# Altium PCB Copy of EXP_V111.PcbDoc (part 3 of 3)
Units mm, origin at the board's own origin, x right, y up, seen from the top; angles counter-clockwise.
Board outline 86 x 86 mm, 4 copper layers (Top Layer, Mid-Layer 1, Mid-Layer 2, Bottom Layer), stack 1.584 mm thick; 340 components, 283 nets, 1185 pads, 448 vias.
Unrouted connection lines stored in the file: 498.
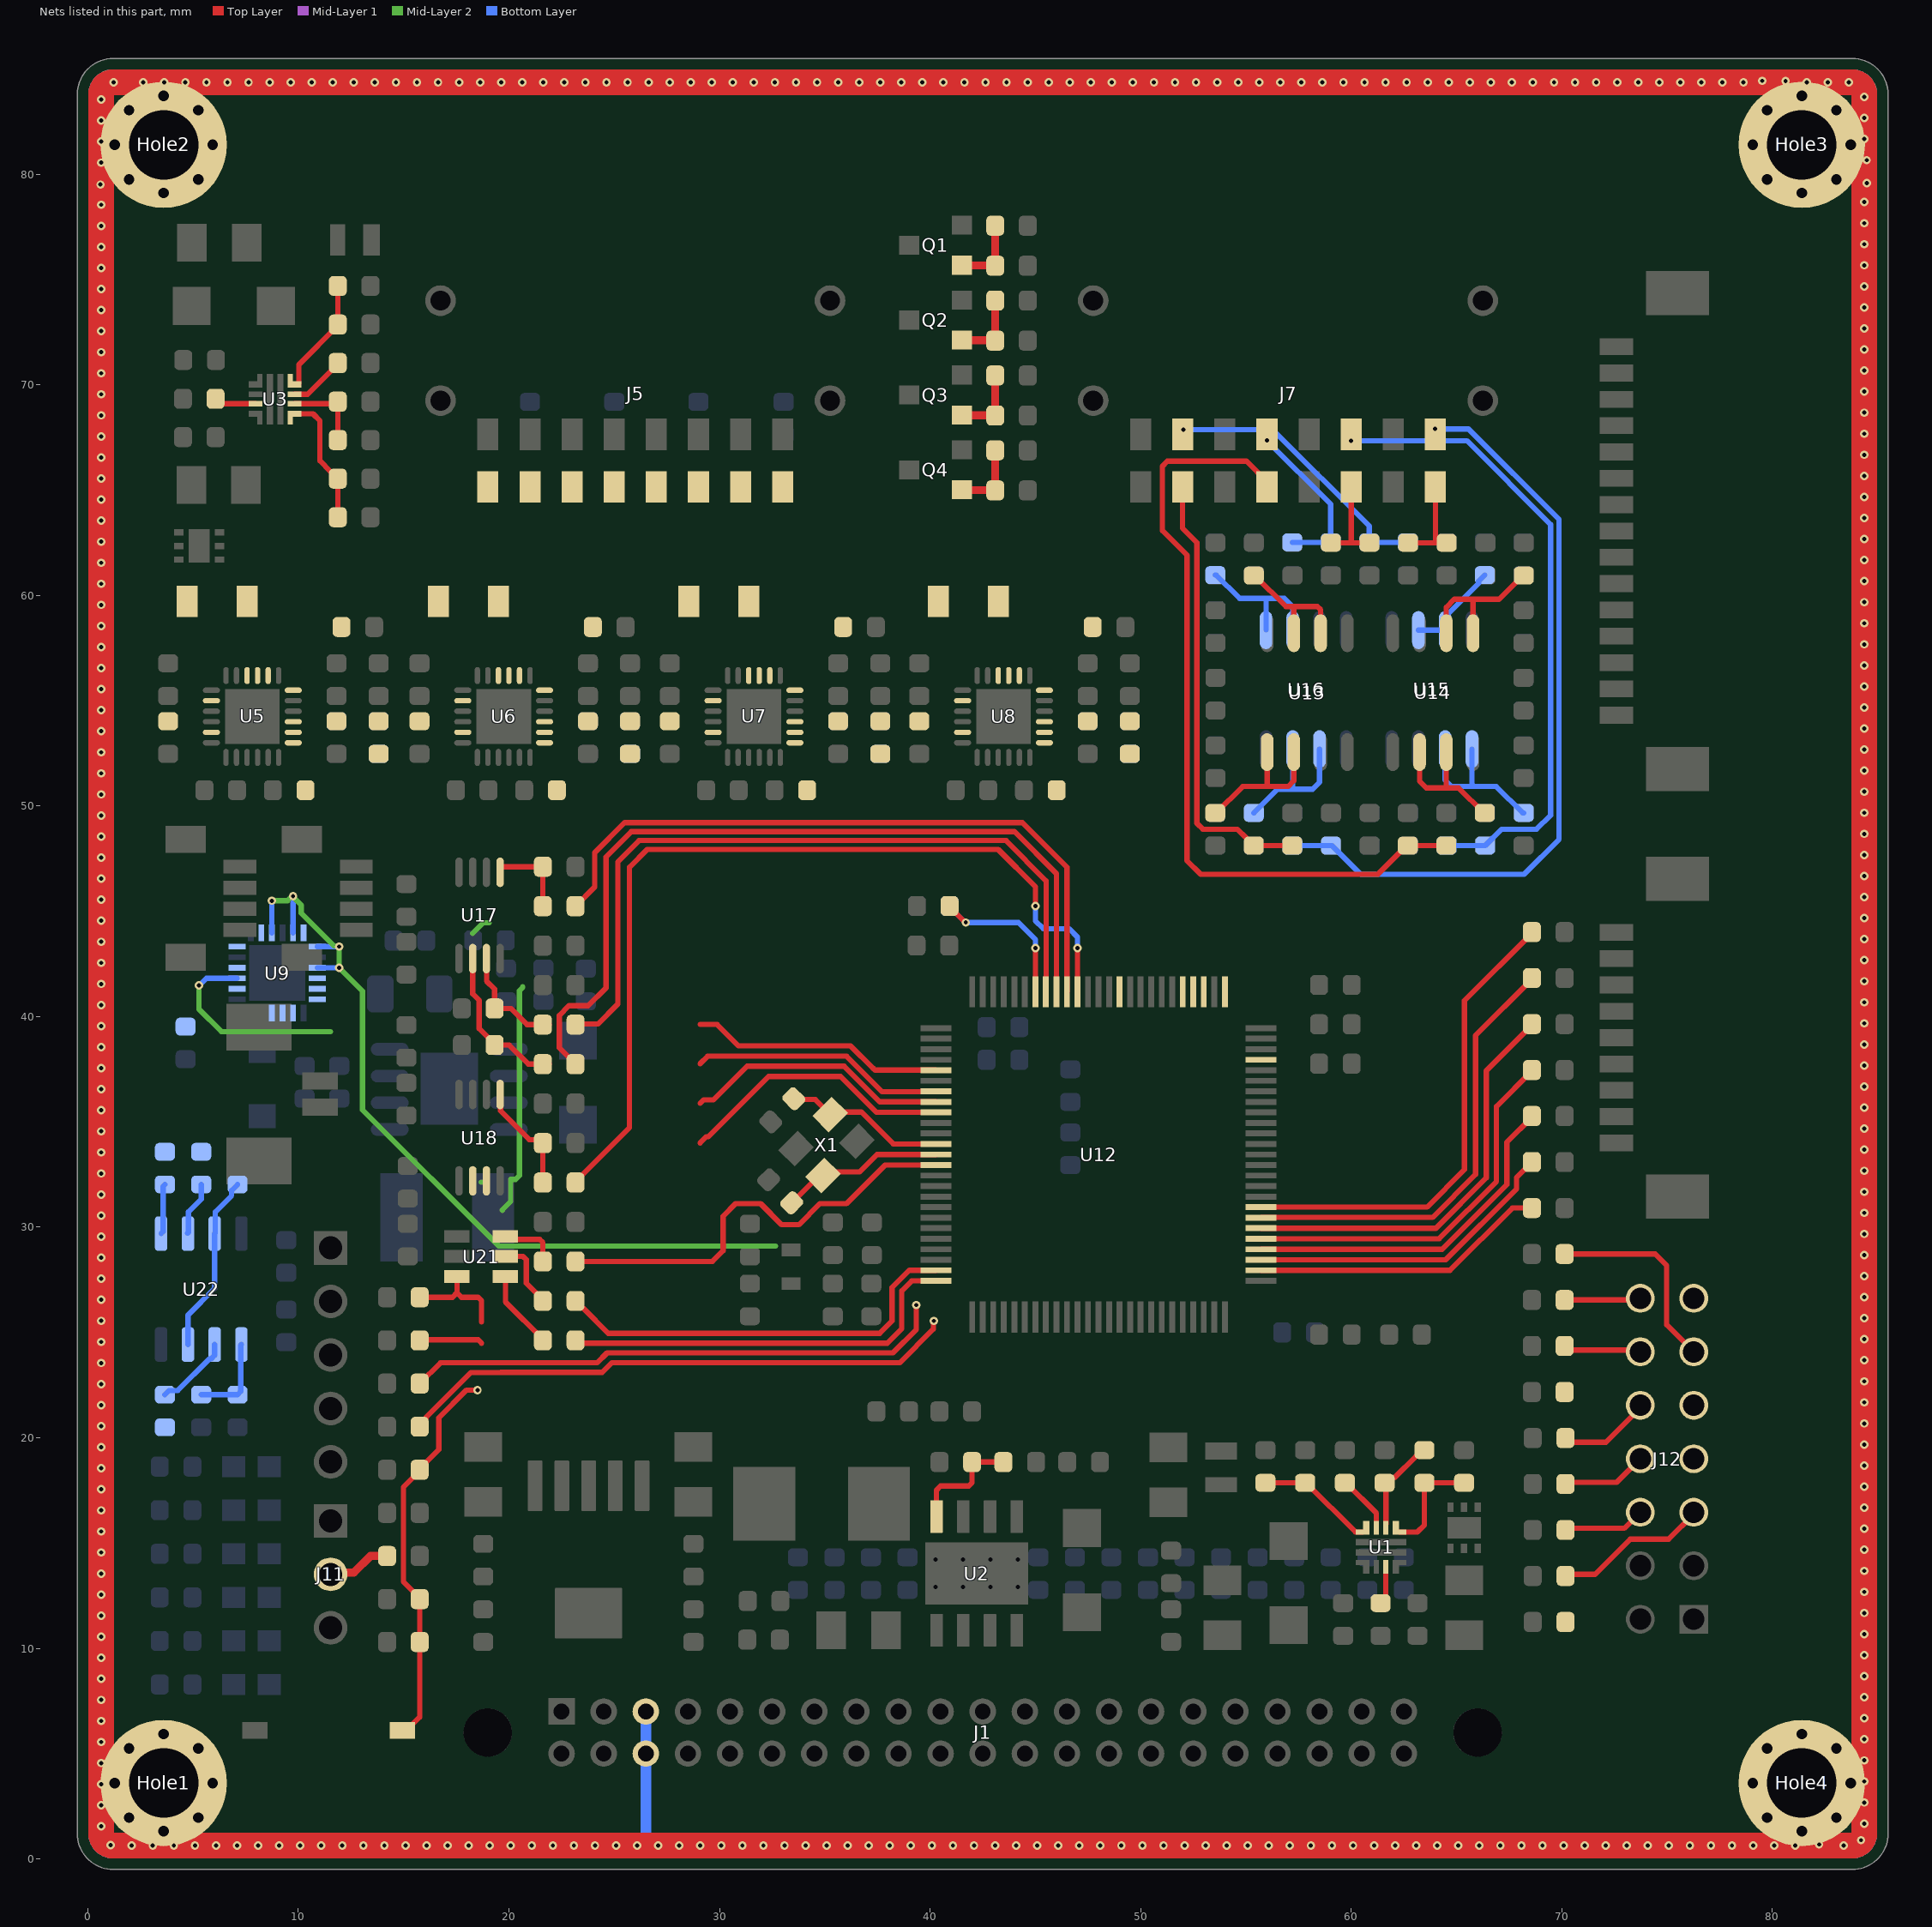
[diagram p5: the nets of this part, all layers, seen from the top]

## Via types
v1: diameter 0.4, hole 0.2, Top Layer to Bottom Layer, tented both sides, 448 vias

## Nets (pads, with @x,y where several pads share a name; then routed paths per layer and width w, separated by ;. In a path a pad name is that pad's centre, name@x,y a point inside that pad or via, vN(x,y) a via of type N, cw(c..) or ccw(c..) an arc to the next point about the centre after c; other vN are vias at no path point) (continued)
NetJ11_2: J11.2 R114.2 | length 3
  Top Layer w0.381: J11.2@11.532,13.513 11.609,13.59 12.632,13.59 13.424,14.383 R114.2@14.211,14.383
NetJ12_05: J12.05 R8.2 | length 7.4
  Top Layer w0.254: R8.2@70.175,13.513 71.583,13.513 73.252,15.182 75.077,15.182 76.27,16.375 J12.05@76.27,16.46
NetJ12_06: J12.06 R120.1 | length 3.9
  Top Layer w0.254: R120.1@70.175,15.697 72.967,15.697 J12.06@73.73,16.46
NetJ12_07: J12.07 R121.2
NetJ12_08: J12.08 R122.1 | length 4
  Top Layer w0.254: R122.1@70.175,17.882 72.612,17.882 J12.08@73.73,19
NetJ12_09: J12.09 R123.2
NetJ12_10: J12.10 R124.1 | length 4.5
  Top Layer w0.254: R124.1@70.175,20.066 70.46,19.781 72.099,19.781 73.73,21.412 J12.10@73.73,21.54
NetJ12_11: J12.11 R125.2 | length 9.7
  Top Layer w0.254: R125.2@70.135,28.724 74.439,28.724 74.984,28.179 74.984,25.366 J12.11@76.27,24.08
NetJ12_12: J12.12 R126.1 | length 3.7
  Top Layer w0.254: R126.1@70.135,24.356 70.323,24.167 73.643,24.167 J12.12@73.73,24.08
NetJ12_14: J12.14 R127.1 | length 3.6
  Top Layer w0.254: R127.1@70.142,26.548 73.658,26.548 J12.14@73.73,26.62
NetJP3_1: JP3.1 R108.2 | length 3
  Top Layer w0.254: R108.2@15.761,24.622 15.792,24.653 18.54,24.653 JP3.1@18.7,24.492
NetJP3_2: JP3.2 R109.2 U21.3 | length 5
  Top Layer w0.254: R109.2@15.761,26.67 17.32,26.67 17.532,26.882 ; U21.3@17.532,27.659 17.532,26.882 ; JP3.2@18.7,25.508 18.7,26.506 18.536,26.67 17.743,26.67 17.532,26.882
NetL2_1: L2.1 U5.14
NetL3_1: L3.1 U6.14
NetL4_1: L4.1 U7.14
NetL5_1: L5.1 U8.14
NetQ1_1: Q1.1 R58.2 R62.2 | length 3.5
  Top Layer w0.381: Q1.1@41.508,75.682 41.521,75.669 43.08,75.669 R58.2@43.092,75.656 R62.2@43.092,77.556
NetQ2_1: Q2.1 R59.2 R63.2 | length 3.5
  Top Layer w0.381: Q2.1@41.508,72.126 41.521,72.113 43.08,72.113 R59.2@43.092,72.1 R63.2@43.092,74
NetQ3_1: Q3.1 R60.2 R64.2 | length 3.5
  Top Layer w0.381: Q3.1@41.508,68.57 41.521,68.557 43.08,68.557 R60.2@43.092,68.544 R64.2@43.092,70.444
NetQ4_1: Q4.1 R61.2 R65.2 | length 3.5
  Top Layer w0.381: Q4.1@41.508,65.014 41.521,65.001 43.08,65.001 R61.2@43.092,64.988 R65.2@43.092,66.888
NetR1_1: R1.1 R2.2 U1.1 | length 5.2
  Top Layer w0.254: U1.1@62.295,15.519 63.14,15.519 63.476,15.855 R1.1@63.476,17.859 R2.2@65.364,17.859
NetR1_2: R1.2 R6.1 U1.2 | length 4.5
  Top Layer w0.254: U1.2@61.647,15.917 61.647,15.994 61.649,15.996 61.649,17.799 R6.1@61.589,17.859 61.834,18.104 62.062,18.104 63.069,19.111 63.082,19.111 63.38,19.409 R1.2@63.476,19.409
NetR3_2: R3.2 R4.1 U1.4 | length 5.6
  Top Layer w0.254: R4.1@55.927,17.859 R3.2@57.814,17.859 57.864,17.859 60.199,15.524 60.543,15.524 U1.4@60.545,15.522
NetR7_1: R7.1 U1.9 | length 1.8
  Top Layer w0.254: R7.1@61.395,12.145 61.643,12.393 61.643,13.87 U1.9@61.645,13.872
NetR9_2: R9.2 R11.1 U2.4 | length 5.6
  Top Layer w0.254: U2.4@40.307,16.258 40.3,16.265 40.3,17.509 40.499,17.707 41.84,17.707 41.988,17.856 R11.1@41.988,18.836 ; R11.1@41.998,18.846 R9.2@43.483,18.846
NetR12_2: R12.2 R18.1 U3.2 | length 3.9
  Top Layer w0.254: U3.2@9.817,69.102 9.819,69.104 11.772,69.104 R12.2@11.873,69.204 R18.1@11.873,67.374
NetR13_2: R13.2 R17.1 U3.1 | length 6.3
  Top Layer w0.254: U3.1@9.817,68.626 10.693,68.626 11.024,68.296 11.024,66.392 11.525,65.891 11.528,65.891 11.873,65.547 R13.2@11.873,65.543 R17.1@11.873,63.713
NetR14_2: R14.2 R15.1 U3.4 | length 5.6
  Top Layer w0.254: U3.4@9.82,70.026 9.995,70.026 10.018,70.049 10.018,70.224 10.021,70.228 10.021,70.964 11.873,72.815 R14.2@11.873,72.865 R15.1@11.873,74.695
NetR19_1: R19.1 U3.9 | length 2
  Top Layer w0.254: R19.1@6.07,69.337 6.306,69.102 U3.9@7.97,69.102
NetR25_2: R25.2 R29.1 U5.8
NetR26_2: R26.2 R30.1 U6.8
NetR38_2: R38.2 R46.1 U12.94 | length 8.4
  Top Layer w0.254: R46.1@40.925,45.25 40.925,45.218 41.677,44.467 v1(41.695,44.467) ; U12.94@45,41.172 v1(45,43.25)
  Bottom Layer w0.254: R38.2@40.925,45.25 40.925,45.218 41.677,44.467 v1(41.695,44.467) 44.197,44.467 45,43.663 v1(45,43.25)
NetR66_1: R66.1 U13.1 U13.2 | length 7.4
  Top Layer w0.254: R66.1@53.542,49.67 53.592,49.67 54.849,50.927 55.987,50.927 ; U13.1@56.007,52.556 56.007,50.947 55.987,50.927 ; U13.2@57.277,52.556 57.277,51.197 57.007,50.927 55.987,50.927
NetR67_1: R67.1 U13.6 U13.7 | length 6.2
  Top Layer w0.254: R67.1@55.374,60.947 55.424,60.947 56.899,59.472 58.398,59.472 58.547,59.323 U13.6@58.547,58.206 ; U13.7@57.277,58.206 57.277,59.471
NetR72_1: R72.1 U14.6 U14.7 | length 6.8
  Top Layer w0.254: U14.6@63.246,52.557 63.246,51.181 63.564,50.863 64.516,50.863 65.102,50.863 66.294,49.67 R72.1@66.344,49.67 ; 64.516,50.863 U14.7@64.516,52.557
NetR73_1: R73.1 U14.1 U14.2 | length 7.1
  Top Layer w0.254: U14.2@64.516,58.207 64.516,59.436 64.897,59.817 65.786,59.817 ; U14.1@65.786,58.207 65.786,59.817 ; R73.1@68.198,60.947 68.148,60.947 67.018,59.817 65.786,59.817
NetR78_1: R78.1 U15.6 U15.7 | length 4.7
  Bottom Layer w0.254: U15.6@63.193,58.353 U15.7@64.463,58.353 64.463,58.985 66.049,60.57 66.049,60.675 66.341,60.967 R78.1@66.345,60.967
NetR80_1: R80.1 U15.1 U15.2 | length 7.7
  Bottom Layer w0.254: U15.2@64.463,52.703 64.463,51.234 64.77,50.927 65.831,50.927 ; U15.1@65.733,52.703 65.733,51.024 65.831,50.927 ; R80.1@68.198,49.67 68.148,49.67 66.891,50.927 65.831,50.927
NetR84_1: R84.1 U16.1 U16.2 | length 6.9
  Bottom Layer w0.254: R84.1@53.542,60.967 53.592,60.967 54.684,59.875 ; 54.702,59.857 55.961,59.857 56.828,59.857 57.22,59.465 U16.2@57.22,58.358 ; U16.1@55.961,58.36 55.961,59.832
NetR85_1: R85.1 U16.6 U16.7 | length 7.2
  Bottom Layer w0.254: R85.1@55.374,49.67 55.378,49.67 56.508,50.8 57.21,50.8 ; U16.7@57.224,52.703 57.224,50.814 57.21,50.8 ; U16.6@58.494,52.703 58.494,51.128 58.166,50.8 57.21,50.8
NetR90_2: R90.2 R95.2 U17.3 U18.3 | length 16.6
  Top Layer w0.254: U17.3@18.939,42.744 18.939,41.686 19.317,41.308 R90.2@19.317,40.386 20.089,40.386 20.856,39.618 R95.2@21.913,39.618
  Mid-Layer 2 w0.254: 19.68,30.804 19.68,30.822 20.082,31.224 20.082,32.266 20.319,32.266 20.501,32.448 20.501,41.229 20.655,41.383 20.655,41.422
NetR91_2: R91.2 R94.2 U17.2 U18.2 | length 8.7
  Top Layer w0.254: U17.2@18.281,42.752 18.281,41.079 18.587,40.773 18.587,39.429 19.317,38.699 R91.2@19.317,38.649 20.014,38.649 20.919,37.744 R94.2@21.913,37.744
  Mid-Layer 2 w0.254: 18.279,43.952 18.776,44.45 19.063,44.45 ; 18.682,32.131 18.914,32.131
NetR96_2: R96.2 R98.1 U17.5 | length 4.1
  Top Layer w0.254: U17.5@19.581,46.852 19.581,47.072 19.625,47.116 R98.1@21.613,47.116 R96.2@21.613,45.242
NetR97_2: R97.2 R101.1 U18.5 | length 5.3
  Top Layer w0.254: U18.5@19.581,36.3 19.599,36.282 19.599,35.523 20.967,34.155 21.453,34.155 R101.1@21.613,33.995 R97.2@21.613,32.12
NetR105_1: R105.1 U21.6 | length 2.8
  Top Layer w0.254: U21.6@19.832,29.559 19.975,29.415 21.464,29.415 21.613,29.266 R105.1@21.613,28.371
NetR106_1: R106.1 U21.5 | length 3.3
  Top Layer w0.254: U21.5@19.832,28.609 19.835,28.612 20.664,28.612 20.82,28.456 20.82,27.344 21.613,26.551 R106.1@21.613,26.497
NetR107_1: R107.1 U21.4 | length 3.8
  Top Layer w0.254: U21.4@19.832,27.659 19.832,26.454 21.613,24.672 R107.1@21.613,24.622
NetR118_2: R118.2 R138.1 U7.8
NetR119_2: R119.2 R145.1 U8.8
NetR135_2: R135.2 U1.3 | length 2.8
  Top Layer w0.254: R135.2@59.701,17.859 59.751,17.859 61.196,16.415 U1.3@61.196,15.722
NetR139_2: R139.2 R141.2 U22.1 | length 4.2
  Bottom Layer w0.254: R139.2@5.387,22.046 R141.2@7.112,22.046 7.267,22.201 7.267,24.399 U22.1@7.293,24.425
NetR140_2: R140.2 U22.3 U22.7 | length 8.6
  Bottom Layer w0.254: U22.3@4.753,24.425 4.753,25.823 6.023,27.093 U22.7@6.023,29.695 6.053,29.725 6.053,30.725 6.83,31.501 6.83,31.744 R140.2@7.112,32.026
NetR142_2: R142.2 U22.6 | length 2.6
  Bottom Layer w0.254: U22.6@4.741,29.708 4.783,29.749 4.783,30.725 5.387,31.329 R142.2@5.387,32.026
NetR143_2: R143.2 U22.5 | length 2.4
  Bottom Layer w0.254: U22.5@3.483,29.695 3.572,29.784 3.572,31.937 R143.2@3.661,32.026
NetR144_2: R144.2 U22.2 | length 3.6
  Bottom Layer w0.254: R144.2@3.661,22.046 3.857,22.241 4.272,22.241 5.776,23.745 5.857,23.745 6.023,23.911 U22.2@6.023,24.425
NetR149_2: R149.2 U3.3 | length 2.7
  Top Layer w0.254: U3.3@9.82,69.551 10.439,69.551 11.873,70.984 R149.2@11.873,71.034
NetR153_1: R153.1 U9.20
NetR154_2: R154.2 U9.3 U9.5 U9.7 U9.9 U9.10 U9.12 U9.14 U9.16 | length 40.4
  Mid-Layer 2 w0.254: v1(8.736,45.5) 9.489,45.5 9.709,45.72 v1(9.748,45.72) 9.748,45.68 10.135,45.293 10.135,44.916 11.699,43.353 11.91,43.353 v1(11.938,43.325) v1(11.938,42.315) 13.047,41.206 13.047,35.569 19.515,29.101 32.656,29.101
  Bottom Layer w0.254: v1(8.736,45.5) 8.739,45.496 8.739,43.976 U9.3@8.743,43.973 ; U9.5@9.743,43.973 9.743,45.715 v1(9.748,45.72) ; U9.9@10.895,42.32 10.898,42.318 11.936,42.318 v1(11.938,42.315) ; U9.7@10.895,43.32 10.898,43.323 11.935,43.323 v1(11.938,43.325)
NetU5_1: U5.1 U5.2
NetU6_1: U6.1 U6.2
NetU7_1: U7.1 U7.2
NetU8_1: U8.1 U8.2
NRST: BT1.2 C149.2 R105.2 R110.2 R117.1 U12.14 | length 39.5
  Top Layer w0.254: BT1.2@14.93,6.096 15.13,6.096 15.761,6.727 C149.2@15.761,10.299 R110.2@15.761,12.335 15.761,12.385 14.992,13.154 14.992,17.659 15.761,18.428 R117.1@15.761,18.478 15.761,18.528 16.671,19.439 16.671,20.95 17.98,22.259 v1(18.505,22.259) ; R105.2@23.163,28.371 29.659,28.371 30.17,28.882 30.17,30.52 30.766,31.116 31.952,31.116 32.95,30.117 33.766,30.117 34.761,31.113 36.024,31.113 37.862,32.95 U12.14@40.278,32.95
NTC1-: J7.2 R68.1 R71.1 | length 21.2
  Top Layer w0.254: J7.2@51.985,65.135 51.985,63.198 52.675,62.509 52.675,49.179 52.956,48.898 54.593,48.898 55.023,48.468 55.023,48.464 55.367,48.12 55.611,48.12 R68.1@57.2,48.12
NTC2-: J7.4 R74.1 R77.1 | length 38.1
  Top Layer w0.254: J7.4@56,65.15 56,65.4 55.026,66.374 51.268,66.374 51.035,66.141 51.035,63.075 52.2,61.91 52.2,47.403 52.849,46.755 61.271,46.755 62.637,48.12 R74.1@62.687,48.12 R77.1@64.516,48.12
NTC3-: J7.6 R69.1 R70.1 | length 4.5
  Top Layer w0.254: R70.1@59.038,62.497 59.954,62.497 ; J7.6@60,65.15 60,62.543 59.954,62.497 ; R69.1@60.87,62.497 59.954,62.497
NTC4-: J7.8 R75.1 R76.1 | length 4
  Top Layer w0.254: R76.1@62.702,62.497 64.012,62.497 64,62.509 J7.8@64,65.15
NTC5-: J7.10 R79.1 R82.1 | length 13.3
  Bottom Layer w0.254: v1@52.045,67.869 56.28,67.869 60.858,63.292 R79.1@60.858,62.517 R82.1@62.687,62.517
  other v1: 52.036,67.879
NTC6-: J7.12 R86.1 R88.1 | length 7.9
  Bottom Layer w0.254: v1(55.994,67.359) 59.022,64.331 R88.1@59.022,62.524 ; R86.1@57.2,62.517 R88.1@59.029,62.517
NTC7-: J7.14 R81.1 R83.1 | length 30.5
  Bottom Layer w0.254: v1(59.996,67.345) 65.493,67.345 69.469,63.37 69.469,49.557 68.807,48.895 67.141,48.895 R83.1@66.366,48.12 R81.1@64.534,48.12
NTC8-: J7.16 R87.1 R89.1 | length 36.8
  Bottom Layer w0.254: R89.1@57.206,48.12 59.086,48.12 60.451,46.755 68.205,46.755 69.873,48.423 69.873,63.604 65.572,67.905 v1(63.991,67.905)
OSC0: C150.1 U12.12 X1.3 | length 7.7
  Top Layer w0.254: C150.1@33.529,36.097 33.564,36.062 34.549,36.062 X1.3@35.26,35.351 ; X1.3@35.295,35.245 35.752,35.245 35.97,35.462 36.739,35.462 38.252,33.95 U12.12@40.278,33.95
OSC1: C151.2 U12.13 X1.1 | length 7.8
  Top Layer w0.254: C151.2@33.43,31.154 34.834,32.558 34.871,32.558 34.942,32.628 36.659,32.628 37.48,33.45 U12.13@40.278,33.45
PHOTO_ADC_CONV: R133.2 U12.57 | length 21.5
  Top Layer w0.254: U12.57@55.722,30.45 55.734,30.463 63.864,30.463 65.908,32.507 65.908,39.103 68.585,41.78 R133.2@68.585,41.83
PHOTO_ADC_CS: R132.2 U12.56 | length 19.9
  Top Layer w0.254: U12.56@55.722,29.95 64.024,29.95 66.418,32.343 66.418,37.428 68.585,39.595 R132.2@68.585,39.645
PHOTO_ADC_EOC: R134.2 U12.58 | length 23
  Top Layer w0.254: U12.58@55.722,30.95 63.601,30.95 65.382,32.731 65.382,40.761 68.585,43.964 R134.2@68.585,44.014
PHOTO_PD_CS: R131.2 U12.55 | length 18.3
  Top Layer w0.254: U12.55@55.722,29.45 64.178,29.45 66.899,32.172 66.899,35.726 68.585,37.411 R131.2@68.585,37.461
PHOTO_SPI2_MISO: R129.2 U12.53 | length 15.1
  Top Layer w0.254: U12.53@55.722,28.45 64.485,28.45 67.855,31.819 67.855,32.363 68.237,32.745 68.24,32.745 68.585,33.089 R129.2@68.585,33.093
PHOTO_SPI2_MOSI: R130.2 U12.54 | length 16.7
  Top Layer w0.254: U12.54@55.722,28.95 64.318,28.95 67.392,32.024 67.392,34.034 68.585,35.227 R130.2@68.585,35.277
PHOTO_SPI2_SCK: R128.2 U12.52 | length 14.1
  Top Layer w0.254: U12.52@55.722,27.95 64.692,27.95 67.65,30.908 R128.2@68.585,30.908
PROTECT_EMI: Hole1.1 Hole2.1 Hole3.1 Hole4.1 J1.3 J1.24 J12.13 | length 1342.1
  Top Layer w1.23: 0.635,1.2 ccw(c1.2,1.2) v1@1.199,0.635 ; 0.635,1.202 0.635,83.8 ; 0.635,83.801 cw(c1.2,83.8) v1@1.2,84.365 ; v1@1.2,0.635 14.086,0.635 15.086,0.635 20.086,0.635 23.086,0.635 37.086,0.635 42.086,0.635 43.086,0.635 51.086,0.635 56.086,0.635 62.086,0.635 69.086,0.635 70.086,0.635 v1(83.388,0.635) 83.798,0.635 ; v1@1.202,84.365 v1@83.8,84.365 ; 83.8,0.635 ccw(c83.8,1.2) 84.365,1.198 ; v1@83.802,84.365 cw(c83.8,83.8) v1@84.365,83.8 ; 84.365,1.2 v1@84.365,83.797
  Mid-Layer 1 w1.23: 0.635,1.2 ccw(c1.2,1.2) v1@1.199,0.635 ; 0.635,1.202 0.635,83.8 ; 0.635,83.801 cw(c1.2,83.8) v1@1.2,84.365 ; v1@1.2,0.635 14.086,0.635 15.086,0.635 21.086,0.635 22.086,0.635 26.086,0.635 42.086,0.635 43.086,0.635 52.086,0.635 61.086,0.635 63.086,0.635 69.086,0.635 70.086,0.635 v1(83.388,0.635) 83.798,0.635 ; v1@1.202,84.365 v1@83.8,84.365 ; 83.8,0.635 ccw(c83.8,1.2) 84.365,1.198 ; v1@83.802,84.365 cw(c83.8,83.8) v1@84.365,83.8 ; 84.365,1.2 v1@84.365,83.797
  Mid-Layer 2 w1.23: 0.636,1.2 ccw(c1.201,1.2) v1@1.199,0.635 ; 0.636,1.203 0.636,83.8 ; 0.636,83.801 cw(c1.201,83.8) v1@1.201,84.365 ; v1@1.201,0.635 7.086,0.635 14.086,0.635 15.086,0.635 19.086,0.635 28.086,0.635 33.086,0.635 42.086,0.635 43.086,0.635 58.086,0.635 69.086,0.635 70.086,0.635 80.086,0.635 83.798,0.635 ; v1@1.202,84.365 v1@83.801,84.365 ; 83.801,0.635 ccw(c83.801,1.2) 84.366,1.199 ; v1@83.802,84.365 cw(c83.801,83.8) v1@84.366,83.8 ; 84.366,1.2 v1@84.366,83.797
  Bottom Layer w0.508: 26.5,0.635 J1.24@26.5,5 J1.3@26.5,7
  Bottom Layer w1.23: 0.636,1.2 ccw(c1.201,1.2) v1@1.199,0.635 ; 0.636,1.203 0.636,83.8 ; 0.636,83.801 cw(c1.201,83.8) v1@1.201,84.365 ; v1@1.201,0.635 6.086,0.635 14.086,0.635 15.086,0.635 20.086,0.635 26.5,0.635 36.086,0.635 42.086,0.635 43.086,0.635 48.086,0.635 55.086,0.635 62.086,0.635 69.086,0.635 70.086,0.635 75.086,0.635 83.798,0.635 ; v1@1.202,84.365 v1@83.801,84.365 ; 83.801,0.635 ccw(c83.801,1.2) 84.366,1.199 ; v1@83.802,84.365 cw(c83.801,83.8) v1@84.366,83.8 ; 84.366,1.2 v1@84.366,83.797
  other v1: 1.086,0.656 2.086,0.638 3.086,0.638 4.086,0.638 5.086,0.638 6.086,0.638 7.086,0.638 8.086,0.638 9.086,0.638 10.086,0.638 11.086,0.638 12.086,0.638 13.086,0.638 14.086,0.638 15.086,0.638 16.086,0.638 17.086,0.638 18.086,0.638 19.086,0.638 20.086,0.638 21.086,0.638 22.086,0.638 23.086,0.638 24.086,0.638 25.086,0.638 26.086,0.638 27.086,0.638 28.086,0.638 29.086,0.638 30.086,0.638 31.086,0.638 32.086,0.638 33.086,0.638 34.086,0.638 35.086,0.638 36.086,0.638 37.086,0.638 38.086,0.638 39.086,0.638 40.086,0.638 41.086,0.638 42.086,0.638 43.086,0.638 44.086,0.638 45.086,0.638 46.086,0.638 47.086,0.638 48.086,0.638 49.086,0.638 50.086,0.638 51.086,0.638 52.086,0.638 53.086,0.638 54.086,0.638 55.086,0.638 56.086,0.638 57.086,0.638 58.086,0.638 59.086,0.638 60.086,0.638 61.086,0.638 62.086,0.638 63.086,0.638 64.086,0.638 65.086,0.638 66.086,0.638 67.086,0.638 68.086,0.638 69.086,0.638 70.086,0.638 71.086,0.638 72.086,0.638 73.086,0.638 74.086,0.638 75.086,0.638 76.086,0.638 77.086,0.638 78.086,0.638 79.086,0.638 80.086,0.638 81.086,0.638 82.22,0.686 84.213,0.888 0.639,1.55 84.362,1.678 0.639,2.55 84.362,2.678 0.639,3.55 84.362,3.678 0.639,4.55 84.362,4.678 0.639,5.55 84.362,5.678 0.639,6.55 84.362,6.678 0.639,7.55 84.362,7.678 0.639,8.55 84.362,8.678 0.639,9.55 84.362,9.678 0.639,10.55 84.362,10.678 0.639,11.55 84.362,11.678 0.639,12.55 84.362,12.678 0.639,13.55 84.362,13.678 0.639,14.55 84.362,14.678 0.639,15.55 84.362,15.678 0.639,16.55 84.362,16.678 0.639,17.55 84.362,17.678 0.639,18.55 84.362,18.678 0.639,19.55 84.362,19.678 0.639,20.55 84.362,20.678 0.639,21.55 84.362,21.678 0.639,22.55 84.362,22.678 0.639,23.55 84.362,23.678 0.639,24.55 84.362,24.678 0.639,25.55 84.362,25.678 0.639,26.55 84.362,26.678 0.639,27.55 84.362,27.678 0.639,28.55 84.362,28.678 0.639,29.55 84.362,29.678 0.639,30.55 84.362,30.678 0.639,31.55 84.362,31.678 0.639,32.55 84.362,32.678 0.639,33.55 84.362,33.678 0.639,34.55 84.362,34.678 0.639,35.55 84.362,35.678 0.639,36.55 84.362,36.678 0.639,37.55 84.362,37.678 0.639,38.55 84.362,38.678 0.639,39.55 84.362,39.678 0.639,40.55 84.362,40.678 0.639,41.55 84.362,41.678 0.639,42.55 84.362,42.678 0.639,43.55 84.362,43.678 0.639,44.55 84.362,44.678 0.639,45.55 84.362,45.678 0.639,46.55 84.362,46.678 0.639,47.55 84.362,47.678 0.639,48.55 84.362,48.678 0.639,49.55 84.362,49.678 0.639,50.55 84.362,50.678 0.639,51.55 84.362,51.678 0.639,52.55 84.362,52.678 0.639,53.55 84.362,53.678 0.639,54.55 84.362,54.678 0.639,55.55 84.362,55.678 0.639,56.55 84.362,56.678 0.639,57.55 84.362,57.678 0.639,58.55 84.362,58.678 0.639,59.55 84.362,59.678 0.639,60.55 84.362,60.678 0.639,61.55 84.362,61.678 0.639,62.55 84.362,62.678 0.639,63.55 84.362,63.678 0.639,64.55 84.362,64.678 0.639,65.55 84.362,65.678 0.639,66.55 84.362,66.678 0.639,67.55 84.362,67.678 0.639,68.55 84.362,68.678 0.639,69.55 84.362,69.678 0.639,70.55 84.362,70.678 0.639,71.55 84.362,71.678 0.639,72.55 84.362,72.678 0.639,73.55 84.362,73.678 0.639,74.55 84.362,74.678 0.639,75.55 84.362,75.678 0.639,76.55 84.362,76.678 0.639,77.55 84.362,77.678 0.639,78.55 84.362,78.678 0.602,79.512 84.482,79.583 0.639,80.55 84.48,80.67 0.639,81.55 84.362,81.678 0.639,82.55 84.362,82.678 0.639,83.55 84.362,83.678 1.223,84.361 2.632,84.361 3.632,84.361 4.632,84.361 5.632,84.361 6.632,84.361 7.632,84.361 8.632,84.361 9.632,84.361 10.632,84.361 11.632,84.361 12.632,84.361 13.632,84.361 14.632,84.361 15.632,84.361 16.632,84.361 17.632,84.361 18.632,84.361 19.632,84.361 20.632,84.361 21.632,84.361 22.632,84.361 23.632,84.361 24.632,84.361 25.632,84.361 26.632,84.361 27.632,84.361 28.632,84.361 29.632,84.361 30.632,84.361 31.632,84.361 32.632,84.361 33.632,84.361 34.632,84.361 35.632,84.361 36.632,84.361 37.632,84.361 38.632,84.361 39.632,84.361 40.632,84.361 41.632,84.361 42.632,84.361 43.632,84.361 44.632,84.361 45.632,84.361 46.632,84.361 47.632,84.361 48.632,84.361 49.632,84.361 50.632,84.361 51.632,84.361 52.632,84.361 53.632,84.361 54.632,84.361 55.632,84.361 56.632,84.361 57.632,84.361 58.632,84.361 59.632,84.361 60.632,84.361 61.632,84.361 62.632,84.361 63.632,84.361 64.632,84.361 65.632,84.361 66.632,84.361 67.632,84.361 68.632,84.361 69.632,84.361 70.632,84.361 71.632,84.361 72.632,84.361 73.632,84.361 74.632,84.361 75.632,84.361 76.632,84.361 77.632,84.361 78.632,84.361 81.632,84.361 82.632,84.361 83.632,84.361 80.628,84.422 79.522,84.437
SENSOR1_EN: R96.1 U12.91 | length 32.7
  Top Layer w0.254: R96.1@23.163,45.242 24.072,46.151 24.072,47.79 25.492,49.21 44.38,49.21 46.5,47.09 U12.91@46.5,41.172
SENSOR2_EN: R97.1 U12.90 | length 42.9
  Top Layer w0.254: R97.1@23.163,32.12 23.163,32.17 25.726,34.733 25.726,47.099 26.563,47.937 43.232,47.937 45,46.169 v1(45,45.25) ; U12.90@47,41.172 47.002,41.174 47.002,43.247 v1(47.005,43.25)
  Bottom Layer w0.254: v1(45,45.25) 45.003,45.247 45.003,44.55 45.378,44.174 46.606,44.174 47,43.78 47,43.255 v1(47.005,43.25)
SENSOR_I2C1_SCL: R94.1 U12.92 | length 39.9
  Top Layer w0.254: R94.1@23.163,37.744 23.163,37.747 22.819,38.092 22.815,38.092 22.391,38.516 22.391,40.053 22.848,40.51 23.761,40.51 24.61,41.36 24.61,47.577 25.8,48.766 ; 25.8,48.785 44.01,48.785 46,46.796 U12.92@46,41.172
SENSOR_I2C1_SDA: R95.1 U12.93 | length 36
  Top Layer w0.254: R95.1@23.163,39.618 23.189,39.644 24.226,39.644 25.168,40.586 25.168,47.339 26.179,48.349 ; 26.179,48.361 43.609,48.361 ; 43.609,48.349 45.513,46.445 U12.93@45.513,41.184
SWCLK: R116.1 U12.76 | length 26.8
  Top Layer w0.254: R116.1@15.761,20.526 15.761,20.623 16.059,20.921 16.059,20.961 18.197,23.099 19.614,23.099 19.618,23.102 24.428,23.102 24.884,23.558 38.561,23.558 40.155,25.152 40.155,25.519 v1(40.183,25.547)
SWDIO: R115.1 U12.72 | length 25.8
  Top Layer w0.254: R115.1@15.761,22.574 16.745,23.559 24.189,23.559 24.662,24.031 38.234,24.031 39.346,25.143 v1(39.346,26.301)
TEC1_CONTROL_VOLT: DAC1.8 R33.1
TEC1_VREF_2.5: C26.2 R23.1 R31.1 U5.6
TEC2_CONTROL_VOLT: DAC2.8 R34.1
TEC2_VREF_2.5: C27.2 R24.1 R32.1 U6.6
TEC3_CONTROL_VOLT: DAC3.8 R148.1
TEC3_VREF_2.5: C38.2 R56.1 R146.1 U7.6
TEC4_CONTROL_VOLT: DAC4.8 R150.1
TEC4_VREF_2.5: C39.2 R57.1 R147.1 U8.6
TEC_1_A: C28.2 J5.1 U5.17
TEC_1_B: C32.2 J5.2 L2.2 U5.10
TEC_1_EN: R25.1 U12.5 | length 12.1
  Top Layer w0.254: 29.078,39.626 29.882,39.626 30.9,38.609 36.229,38.609 37.292,37.546 37.307,37.546 37.39,37.463 39.569,37.463 U12.5@40.266,37.463
TEC_2_A: C29.2 J5.3 U6.17
TEC_2_B: C33.2 J5.4 L3.2 U6.10
TEC_2_EN: R26.1 U12.7 | length 12.1
  Top Layer w0.254: 29.078,37.752 29.078,37.756 29.439,38.117 36.031,38.117 37.719,36.429 39.561,36.429 39.569,36.437 40.266,36.437 U12.7@40.278,36.45
TEC_3_A: C40.2 J5.5 U7.17
TEC_3_B: C44.2 J5.6 L4.2 U7.10
TEC_3_EN: R118.1 U12.8 | length 12.6
  Top Layer w0.254: 29.078,35.877 29.248,36.047 29.715,36.047 31.307,37.64 35.919,37.64 37.609,35.95 U12.8@40.278,35.95
TEC_4_A: C41.2 J5.7 U8.17
TEC_4_B: C45.2 J5.8 L5.2 U8.10
TEC_4_EN: R119.1 U12.9 | length 13.2
  Top Layer w0.254: 29.078,34.003 29.078,34.007 29.369,34.298 29.47,34.298 32.328,37.156 35.748,37.156 37.448,35.456 U12.9@40.273,35.456
TEC_ADC: C46.2 R154.1
TEC_ADC_C\S\: U9.21 U12.86 | length 9.8
  Mid-Layer 2 w0.254: v1(5.277,41.478) 5.277,40.352 6.343,39.286 11.532,39.286
  Bottom Layer w0.254: v1@5.266,41.478 v1(5.277,41.478) 5.294,41.478 5.636,41.82 U9.21@7.091,41.82
TEC_SPI3_MISO: R144.1 U12.79
TEC_SPI3_MOSI: DAC1.4 DAC2.4 DAC3.4 DAC4.4 R143.1 U9.24 U12.80
TEC_SPI3_SCK: DAC1.3 DAC2.3 DAC3.3 DAC4.3 R142.1 U9.22 U12.78
VLIM_1: R31.2 R35.1 U5.3
VLIM_2: R32.2 R36.1 U6.3
VLIM_3: R146.2 R151.1 U7.3
VLIM_4: R147.2 R152.1 U8.3
VTEC_ADC_1: U5.9 U9.2
VTEC_ADC_2: U6.9 U9.6
VTEC_ADC_3: U7.9 U9.11
VTEC_ADC_4: U8.9 U9.15
WD_DONE: R107.2 U12.25 | length 19.4
  Top Layer w0.254: R107.2@23.163,24.622 23.293,24.492 37.968,24.492 38.657,25.181 38.657,26.982 39.125,27.45 U12.25@40.278,27.45
WD_WAKE: R106.2 U12.24 | length 19.9
  Top Layer w0.254: R106.2@23.179,26.497 23.179,26.477 23.507,26.149 23.527,26.149 24.715,24.96 37.611,24.96 38.195,25.545 38.195,27.132 39.013,27.95 U12.24@40.278,27.95
pads on no net: J1. J5.SH1 J5.SH2 J5.SH3 J5.SH4 J7.SH1 J7.SH2 J7.SH3 J7.SH4 U2.2 U2.3 U2.5 U5.20 U5.21 U6.20 U6.21 U7.20 U7.21 U8.20 U8.21 U9.19 U12.1 U12.2 U12.3 U12.4 U12.36 U12.40 U12.41 U12.45 U12.63 U12.64 U12.65 U12.66 U12.67 U12.68 U12.69 U12.70 U12.71 U12.77 U12.81 U12.82 U12.84 U12.85 U12.89 U12.95 U12.96 U12.97 U12.98
copper on no net: | length 119
  Top Layer w0.254: 29.078,41.501 29.078,41.421 31.405,39.094 36.395,39.094 37.539,37.95 40.278,37.95 ; 29.078,43.375 29.078,43.325 29.945,42.458 29.945,41.505 31.876,39.574 36.554,39.574 37.676,38.452 40.276,38.452 ; 29.078,45.25 29.078,45.2 30.471,43.807 30.471,41.735 32.147,40.059 36.641,40.059 37.75,38.95 40.278,38.95 ; 29.078,47.125 30.065,47.125 31.5,45.689 31.5,41.795 32.747,40.547 36.824,40.547 37.921,39.45 40.278,39.45 ; 34.993,41.501 36.378,41.501 37.657,42.781 37.657,45.33 38.386,46.059 41.919,46.059 42.987,44.991 42.987,41.184 43,41.172 ; 34.993,43.375 35.992,43.375 36.7,44.084 36.7,45.598 37.624,46.521 42.235,46.521 43.5,45.256 43.5,41.172 ; 34.993,45.25 34.993,45.254 35.337,45.598 35.341,45.598 36.702,46.959 ; 34.993,47.125 34.993,47.128 35.284,47.42 35.413,47.42 35.44,47.446 42.937,47.446 44.489,45.894 44.489,41.183 44.5,41.172 ; 36.702,46.984 42.675,46.984 44.001,45.658 44.001,41.173 44,41.172

## Polygon pours and split planes (outlines as drawn)
5V on Bottom Layer "Bottom Layer-+5" (solid, pour order 5): 19.092,37.452 19.102,36.898 24.365,36.898 24.365,35.655 25.35,35.655 25.35,38.041 25.35,39.083 24.157,39.083 24.157,39.591 18.281,39.591 18.281,41.267 15.55,41.267 15.55,38.921 21.375,38.921 21.375,37.452
IR_LED_P on Bottom Layer "Bottom Layer-IR_LED_P" (solid, pour order 3): 11.736,37.211 12.152,37.211 12.324,37.039 14.835,37.039 14.835,37.471 14.509,37.471 14.509,39.005 15.05,39.005 15.05,41.267 12.357,41.267 12.357,38.306 12.121,38.07 11.736,38.072
no net on Bottom Layer "Bottom Layer-GND_12_EXP" (solid, pour order 22): 75.057,10.112 77.597,10.112 77.597,34.642 75.259,34.642 75.256,34.645 72.906,34.651 72.898,34.643 72.898,33.843 75.057,33.843
5V_TEMP on Mid-Layer 2 "Mid-Layer 2-+5_TEC_HEATER" (solid, pour order 8): 4.064,54.229 50.165,54.229 50.165,56.956 18.288,56.956 18.288,66.929 33.528,66.929 33.528,68.416 18.288,68.416 18.288,79.502 15,79.502 15,76.963 15.24,76.963 15.24,56.956 4.064,56.956
12V_EXP on Mid-Layer 2 "Mid-Layer 2-12_EXP" (solid, pour order 15): 57.304,5.807 64.169,5.807 64.169,8.361 74.423,8.361 74.423,14.096 72.344,16.175 72.344,32.508 73.537,32.508 73.537,33.527 70.993,33.527 70.993,15.367 70.993,10.409 64.169,10.409 64.169,10.414 57.304,10.414
GND_CAM on Mid-Layer 2 "GND_CAM_L03_P023" (solid, pour order 23): 16.141,8.128 75.057,8.128 78.74,11.811 78.74,48.514 76.835,50.419 70.282,50.419 70.282,77.851 84.362,77.851 84.211,77.7 84.211,0.809 16.141,0.809
GND_CAM on Mid-Layer 1 "GND_CAM_L02_P019" (solid, pour order 19): 16.086,8.128 45.63,8.128 45.63,3.988 71.145,3.988 78.74,11.582 78.74,48.514 76.835,50.419 70.282,50.419 70.282,77.851 84.362,77.851 84.211,77.7 84.211,0.809 16.086,0.809

## Keep-outs
Keep-Out Layer:
  lines w0.444: 1.197,85.5 ccw(c1.2,83.8) -0.5,83.8 -0.5,1.2 ccw(c1.2,1.2) 1.2,-0.5 83.8,-0.5 ccw(c83.8,1.2) 85.5,1.2 85.5,83.798 ; 1.202,85.5 83.799,85.5 ; 83.804,85.5 cw(c83.8,83.8) 85.5,83.803

## Other copper
Top Layer:
  region net 5V_TEMP: 8.49,68.125 8.795,68.125 8.795,70.874 10.744,72.824 10.744,75.854 12.217,75.854 12.217,77.606 12.192,77.632 6.858,77.632 6.833,77.657 6.833,72.511 8.49,70.854
  region net +3.3: 22.859,19 20.947,19 19.614,17.667 17.867,17.667 17.867,14.556 17.859,14.548 22.1,14.548 22.858,15.305
  region net 5V: 6.02,61.554 6.02,66.155 7.206,66.155 8.992,67.941 8.992,70.528 9.292,70.528 9.292,62.676 7.163,62.676 7.163,61.552
  region net 5V: 13.069,77.633 13.069,75.854 14.074,75.854 14.074,72.374 14.856,72.374 14.859,72.377 14.859,77.633
  region net 5V: 24.707,19 26.618,19 27.951,17.667 29.699,17.667 29.699,14.556 29.706,14.548 25.465,14.548 24.708,15.305
  region net 5V: 29.699,17.667 31.007,18.975 33.615,18.975 33.615,14.66 36.005,12.27 36.005,9.955 36.001,9.958 34.612,9.958 34.612,10.39 30.459,14.543 28.156,14.543
  region net 12V_EXP: 60.221,15.2 64.175,15.2 64.481,14.974 66.164,14.974 66.164,14.023 66.254,13.933 66.254,12.105 66.253,12.104 64.225,12.104 64.219,12.098 64.219,13.568 62.892,14.896 60.221,14.896
  region net NetC5_2: 43.838,15.488 44.427,15.488 46.073,17.134 46.941,18.002 46.941,19.322 46.093,19.322 46.093,18.489 44.225,17.012 43.863,17.012
  region net PROTECT_EMI: 1.2,1.2 1.204,1.197 1.956,1.197 1.216,1.936 1.202,1.936
  region net PROTECT_EMI: 83.8,1.2 83.803,1.204 83.803,1.956 83.064,1.216 83.064,1.202
  region net PROTECT_EMI: 83.8,83.8 83.796,83.803 83.044,83.803 83.784,83.064 83.798,83.064
  region net PROTECT_EMI: 1.2,83.8 1.197,83.796 1.197,83.044 1.936,83.784 1.936,83.798
  region net 12V: 50.415,16.259 50.971,15.703 50.971,14.218 52.433,14.218 52.975,13.676 52.975,12.52 52.978,12.517 54.827,12.517 57.878,12.517 59.762,14.4 62.621,14.396 62.621,14.705 59.762,14.705 57.929,15.992 55.008,15.992 54.568,16.432 54.568,18.118 53.079,18.118 52.608,17.646 50.429,17.646 50.429,16.273
  region net 12V: 52.1,14.2 52.082,14.218 50.971,14.218 50.429,13.675 50.429,9.029 49.8,8.4 43.164,8.4 42.449,9.115 42.449,11.624 43.334,11.624 43.334,9.801 49.244,9.801 49.244,16.461 50.429,17.646
  region net NetC5_1: 39.069,15.129 39.069,19.546 48.15,19.546 48.868,20.263 36.079,20.263 36.079,15.129
  region net NetC5_1: 43.813,10.078 48.976,10.078 48.976,20.263 47.649,20.263 47.649,18.485 48.297,17.837 48.297,12.987 46.937,11.627 43.813,11.627
Mid-Layer 1:
  rectangle net PROTECT_EMI: 1.016,81.839 3.048,84.15
  rectangle net PROTECT_EMI: 82.478,82.133 84.51,84.444
  rectangle net PROTECT_EMI: 0.515,0.345 2.547,2.657
  rectangle net PROTECT_EMI: 82.605,0.751 84.637,3.062
  region net PROTECT_EMI: 1.2,83.8 1.197,83.796 1.197,83.044 1.936,83.784 1.936,83.798
  region net PROTECT_EMI: 83.8,83.8 83.796,83.803 83.044,83.803 83.784,83.064 83.798,83.064
  region net PROTECT_EMI: 83.8,1.2 83.803,1.204 83.803,1.956 83.064,1.216 83.064,1.202
  region net PROTECT_EMI: 1.2,1.2 1.204,1.197 1.956,1.197 1.216,1.936 1.202,1.936
Mid-Layer 2:
  rectangle net PROTECT_EMI: 1.201,81.55 3.35,83.8
  rectangle net PROTECT_EMI: 0.774,0.441 2.924,2.69
  rectangle net PROTECT_EMI: 82.289,0.462 84.438,2.712
  rectangle net PROTECT_EMI: 82.31,82.184 84.46,84.434
  region net PROTECT_EMI: 1.2,83.8 1.197,83.796 1.197,83.044 1.936,83.784 1.936,83.798
  region net PROTECT_EMI: 83.8,83.8 83.796,83.803 83.044,83.803 83.784,83.064 83.798,83.064
  region net PROTECT_EMI: 83.8,1.2 83.803,1.204 83.803,1.956 83.064,1.216 83.064,1.202
  region net PROTECT_EMI: 1.2,1.2 1.204,1.197 1.956,1.197 1.216,1.936 1.202,1.936
Bottom Layer:
  rectangle net IR_LED_P: 7.626,37.206 12.32,38.085
  region net NetD4_2: 18.241,31.615 18.241,32.575 19.092,32.575 19.092,36.177 19.102,36.187 24.151,36.187 24.157,36.192 24.157,33.951 20.241,33.951 20.241,31.615
  region net PROTECT_EMI: 1.2,83.8 1.197,83.796 1.197,83.044 1.936,83.784 1.936,83.798
  region net PROTECT_EMI: 83.8,83.8 83.796,83.803 83.044,83.803 83.784,83.064 83.798,83.064
  region net PROTECT_EMI: 83.8,1.2 83.803,1.204 83.803,1.956 83.064,1.216 83.064,1.202
  region net PROTECT_EMI: 1.2,1.2 1.204,1.197 1.956,1.197 1.216,1.936 1.202,1.936
  region net NetC123_1: 7.632,36.527 12.542,36.527 12.542,32.579 15.902,32.579 15.902,30.472 13.895,30.472 13.895,31.488 11.387,31.488 11.387,35.67 7.632,35.67

## Silkscreen, mask and mechanical layers (free items; w line width, h text height)
Top Overlay:
  lines w0.1: 101.5,89.75 150,89.75 150,101 101.5,101 101.5,89.75
  text "SCL" at 2.486,48.813 h0.4 r270
  text "SDA" at 2.486,46.913 h0.4 r270
  text "VCC" at 2.486,45.029 h0.4 r270
  text "GND" at 2.486,43.147 h0.4 r270
  text "LED_P" at 2.574,38.269 h0.4 r270
  text "LED_N" at 2.592,35.598 h0.4 r270
  text "VCC" at 3.707,27.903 h0.4
  text "GND" at 3.656,25.38 h0.4
  text "SWDIO" at 3.323,22.858 h0.4
  text "SWCLK" at 3.385,20.336 h0.4
  text "NRST" at 3.55,17.813 h0.4
  text "RX" at 3.958,14.584 h0.4
  text "TX" at 3.882,12.072 h0.4
  text "GND" at 3.67,9.38 h0.4
Bottom Overlay:
  drawing of 27 lines, arcs and shapes, not listed
  text "EXP_V.1.1.0" at 33.509,59.497 h1.5
  text "G" at 2.252,18.738 h0.4 r90
  text "B" at 2.252,16.669 h0.4 r90
  text "3V3" at 2.252,15 h0.4 r90
  text "5V_T" at 2.224,13.103 h0.4 r90
  text "5V" at 2.252,10.661 h0.4 r90
  text "12V" at 2.252,8.759 h0.4 r90
Top Solder:
  region: 83.781,1.622 83.781,1.219 83.78,1.217 83.377,1.217
  region: 1.219,83.125 1.219,83.781 1.221,83.782 1.876,83.782
  region: 82.843,83.781 83.781,83.781 83.783,83.779 83.783,82.841
  region: 1.219,1.626 1.219,1.219 1.221,1.217 1.624,1.217 1.626,1.219
Bottom Solder:
  rectangle: 1.223,83.312 1.6,83.8
  rectangle: 1.086,1.2 1.956,1.6
  rectangle: 83.088,1.2 83.8,1.678
  rectangle: 83.287,83.363 83.804,83.803

## Text inside footprints (layer, text, board x,y; h text height)
U5: Top 3D Body "*" at 9.666,53.385 h1.27 r180
U6: Top 3D Body "*" at 21.604,53.385 h1.27 r180
U7: Top 3D Body "*" at 33.491,53.385 h1.27 r180
U8: Top 3D Body "*" at 45.342,53.385 h1.27 r180
U9: Bottom 3D Body "*" at 7.902,43.503 h0.64
U12: Top 3D Body "*" at 40.964,39.065 h1.27